# Altium PCB e-VEREST.PcbDoc (part 3 of 3)
Units mm, origin at the board's own origin, x right, y up, seen from the top; angles counter-clockwise.
Board outline 40 x 16 mm, 6 copper layers (Top Layer, InLayer1 (GND), InLayer2 (Signal), InLayer3 (PWR), InLayer4 (GND), Bottom Layer), stack 1.567 mm thick; 132 components, 181 nets, 912 pads, 411 vias.
Unrouted connection lines stored in the file: 2.
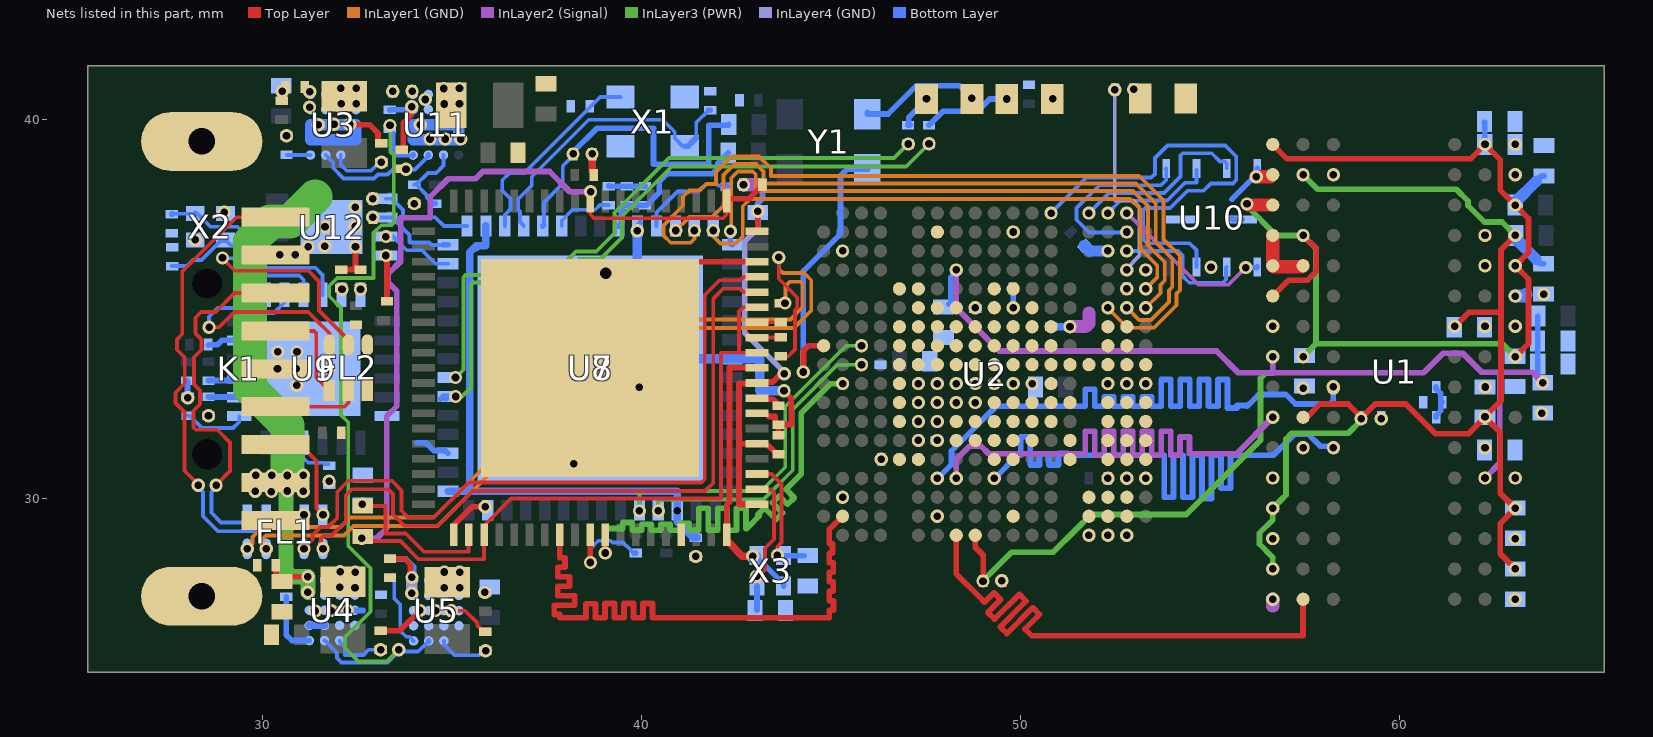
[diagram p7: the nets of this part, all layers, seen from the top]

## Via types
v1: diameter 0.35/0.2/0.2/0.2/0.2/0.35 (per signal layer), hole 0.2, Top Layer to Bottom Layer, tented both sides, 112 vias
v2: diameter 0.35/0.2/0.35/0.2/0.2/0.2 (per signal layer), hole 0.2, Top Layer to Bottom Layer, tented both sides, 80 vias
v3: diameter 0.35/0.2/0.35/0.35/0.2/0.35 (per signal layer), hole 0.2, Top Layer to Bottom Layer, tented both sides, 53 vias
v4: diameter 0.35/0.2/0.2/0.35/0.2/0.35 (per signal layer), hole 0.2, Top Layer to Bottom Layer, tented both sides, 41 vias
v5: diameter 0.35/0.2/0.2/0.35/0.2/0.2 (per signal layer), hole 0.2, Top Layer to Bottom Layer, tented both sides, 37 vias
v6: diameter 0.35/0.2/0.35/0.2/0.2/0.35 (per signal layer), hole 0.2, Top Layer to Bottom Layer, tented both sides, 20 vias
v7: diameter 0.35/0.2/0.35/0.35/0.2/0.2 (per signal layer), hole 0.2, Top Layer to Bottom Layer, tented both sides, 13 vias
v8: diameter 0.35/0.2/0.2/0.2/0.2/0.2 (per signal layer), hole 0.2, Top Layer to Bottom Layer, tented both sides, 7 vias
v9: diameter 0.2/0.2/0.2/0.35/0.2/0.35 (per signal layer), hole 0.2, Top Layer to Bottom Layer, tented both sides, 7 vias
v10: diameter 0.35/0.35/0.2/0.2/0.2/0.2 (per signal layer), hole 0.2, Top Layer to Bottom Layer, tented both sides, 6 vias
v11: diameter 0.35/0.2/0.2/0.2/0.35/0.35 (per signal layer), hole 0.2, Top Layer to Bottom Layer, tented both sides, 5 vias
v12: diameter 0.2/0.2/0.2/0.35/0.2/0.2 (per signal layer), hole 0.2, Top Layer to Bottom Layer, tented both sides, 5 vias
v13: diameter 0.35/0.2/0.2/0.2/0.35/0.2 (per signal layer), hole 0.2, Top Layer to Bottom Layer, tented both sides, 4 vias
v14: diameter 0.2/0.2/0.35/0.2/0.2/0.35 (per signal layer), hole 0.2, Top Layer to Bottom Layer, tented both sides, 3 vias
v15: diameter 0.35/0.2/0.35/0.2/0.35/0.35 (per signal layer), hole 0.2, Top Layer to Bottom Layer, tented both sides, 3 vias
v16: diameter 0.35/0.35/0.2/0.2/0.2/0.35 (per signal layer), hole 0.2, Top Layer to Bottom Layer, tented both sides, 3 vias
v17: diameter 0.2/0.35/0.2/0.2/0.2/0.2 (per signal layer), hole 0.2, Top Layer to Bottom Layer, tented both sides, 3 vias
v18: diameter 0.5/0.2/0.3/0.5/0.2/0.5 (per signal layer), hole 0.3, Top Layer to Bottom Layer, tented both sides, 3 vias
v19: diameter 0.45/0.45/0.3/0.45/0.45/0.45 (per signal layer), hole 0.3, Top Layer to Bottom Layer, tented both sides, 1 vias
v20: diameter 0.35/0.35/0.2/0.2/0.35/0.2 (per signal layer), hole 0.2, Top Layer to Bottom Layer, tented both sides, 1 vias
v21: diameter 0.35/0.2/0.35/0.2/0.35/0.2 (per signal layer), hole 0.2, Top Layer to Bottom Layer, tented both sides, 1 vias
v22: diameter 0.2/0.35/0.2/0.2/0.2/0.35 (per signal layer), hole 0.2, Top Layer to Bottom Layer, tented both sides, 1 vias
v23: diameter 0.2/0.2/0.2/0.2/0.2/0.2 (per signal layer), hole 0.2, Top Layer to Bottom Layer, tented both sides, 1 vias
v24: diameter 0.2/0.2/0.35/0.2/0.35/0.2 (per signal layer), hole 0.2, Top Layer to Bottom Layer, tented both sides, 1 vias

## Nets (pads, with @x,y where several pads share a name; then routed paths per layer and width w, separated by ;. In a path a pad name is that pad's centre, name@x,y a point inside that pad or via, vN(x,y) a via of type N, cw(c..) or ccw(c..) an arc to the next point about the centre after c; other vN are vias at no path point) (continued)
FT_TXE: U2.B2 U7.8 | length 18
  Top Layer w0.15: U7.8@37.85,29.035 37.85,28.843 37.85,28.426 37.987,28.426 37.987,28.176 37.794,28.176 37.794,27.926 38.105,27.926 38.105,27.676 37.795,27.676 37.795,27.426 38.242,27.426 38.242,27.176 37.7,27.176 37.7,26.926 37.85,26.926 37.85,26.851 37.85,26.84 38.2,26.84 38.542,26.84 38.542,27.209 38.792,27.209 38.792,26.84 39.042,26.84 39.042,27.219 39.292,27.219 39.292,26.84 39.542,26.84 39.542,27.219 39.792,27.219 39.792,26.84 40.042,26.84 40.042,27.219 40.292,27.219 40.292,26.84 40.617,26.84 44.96,26.84 44.96,26.847 44.96,27.041 45.068,27.041 45.068,27.291 44.96,27.291 44.96,27.541 45.065,27.541 45.065,27.791 44.96,27.791 44.96,28.041 45.065,28.041 45.065,28.291 44.96,28.291 44.96,28.541 45.044,28.541 45.044,28.791 44.96,28.791 44.96,28.826 44.96,28.866 44.96,29.17 U2.B2@45.31,29.52
FT_WK: U7.16 | length 0
  Top Layer w0.15: U7.16@41.05,29.035 U7.16@41.05,29.035
FT_WR: U2.B9 U7.11 | length 16.2
  Top Layer w0.15: v5(39.044,28.55) 39.047,28.553 39.047,29.032 U7.11@39.05,29.035
  InLayer3 (PWR) w0.15: v5(39.044,28.55) 39.044,29.198 39.437,29.198 39.512,29.198 39.512,29.353 39.762,29.353 39.762,29.15 40.012,29.15 40.012,29.31 40.262,29.31 40.262,29.15 40.512,29.15 40.512,29.31 40.762,29.31 40.762,29.15 41.012,29.15 41.012,29.335 41.262,29.335 41.262,29.15 41.512,29.15 41.512,29.735 41.762,29.735 41.762,29.15 42.012,29.15 42.012,29.735 42.262,29.735 42.262,29.15 42.512,29.15 42.512,29.735 42.762,29.735 42.762,29.198 42.78,29.198 42.926,29.344 43.054,29.472 43.107,29.525 43.072,29.56 43.249,29.736 43.55,29.435 43.727,29.612 43.46,29.878 43.637,30.055 43.859,29.833 44.035,30.01 43.814,30.232 44.22,30.638 44.22,32.243 44.997,33.02 v5(45.31,33.02)
GND: C1.1 C2.1 C3.1 C6.1 C7.1 C8.1 C9.1 C10.1 C11.2 C12.2 C13.2 C14.2 C15.1 C16.1 C17.2 C18.1 C19.1 C20.2 C21.1 C22.1 C23.2 C24.1 C25.1 C26.1 C27.1 C28.1 C29.1 C30.2 C31.2 C32.2 C33.1 C34.2 C35.2 C36.1 C37.2 C38.2 C39.1 C40.2 C48.2 C49.2 C50.2 C51.2 C52.2 C53.2 C54.2 C55.2 C56.2 C57.2 C58.2 C59.2 C60.2 C61.2 C63.2 C64.2 C65.2 C66.2 C67.2 C68.1 C69.1 C70.2 C71.2 C72.1 C73.2 C74.1 DS1.2 DS2.2 DS3.2 FL1.3 FL1.8 FL2.3 FL2.4 K1.5 K1.8 K1.10 R2.1 R34.1 R38.1 R42.1 R46.1 R48.2 R50.2 R52.1 R55.2 R57.1 R58.2 U1.A9 U1.B1 U1.B3 U1.B9 U1.D1 U1.D8 U1.E1 U1.E2 U1.E8 U1.F9 U1.G1 U1.G8 U1.G9 U1.J2 U1.J8 U1.L2 U1.M1 U1.M9 U1.P1 U1.P9 U1.T1 U1.T9 U2.B3 U2.B16 U2.E5 U2.E7 U2.E8 U2.E9 U2.E10 U2.E11 U2.E12 U2.E14 U2.F5 U2.F6 U2.F7 U2.F8 U2.F9 U2.F10 U2.F11 U2.F12 U2.F13 U2.F14 U2.G2 U2.G6 U2.G7 U2.G8 U2.G9 U2.G10 U2.G11 U2.G12 U2.G13 U2.G17 U2.H6 U2.H7 U2.H8 U2.H9 U2.H10 U2.H11 U2.H12 U2.H13 U2.J6 U2.J7 U2.J8 U2.J9 U2.J10 U2.J11 U2.J12 U2.J13 U2.K5 U2.K6 U2.K7 U2.K8 U2.K9 U2.K10 U2.K11 U2.K12 U2.K13 U2.K14 U2.L2 U2.L5 U2.L6 U2.L7 U2.L8 U2.L9 U2.L10 U2.L11 U2.L12 U2.L13 U2.L14 U2.L17 U2.M6 U2.M7 U2.M8 U2.M9 U2.M10 U2.M11 U2.M12 U2.M13 U2.N7 U2.N8 U2.N9 U2.N10 U2.N11 U2.N12 U2.P5 U2.P6 U2.P8 U2.P10 U2.P12 U2.R1 U2.R2 U2.R3 U2.R10 U2.T1 U2.T2 U2.T3 U2.T4 U2.T5 U2.T6 U2.T7 U2.T8 U2.T9 U2.T10 U2.T11 U2.T12 U2.T16 U2.U1 U2.U2 U2.U3 U2.U4 U2.U5 U2.U6 U2.U7 U2.U8 U2.U9 U2.U10 U2.U11 U2.U12 U2.U14 U2.V4 U2.V5 U2.V6 U2.V7 U2.V8 U2.V9 U2.V10 U2.V15 U3.B1 U3.B2 U3.B3 U3.B4 U3.C1 U3.C2 U3.C3 U3.C4 U4.B1 U4.B2 U4.B3 U4.B4 U4.C1 U4.C2 U4.C3 U4.C4 U5.B1 U5.B2 U5.B3 U5.B4 U5.C1 U5.C2 U5.C3 U5.C4 U7.1 U7.19 U7.26 U7.29 U7.36 U7.77 U8.10 U8.21 U8.41 U8.45 U8.57 U9.6 U9.25 U10.4 U10.9 U11.B1 U11.B2 U11.B3 U11.B4 U11.C1 U11.C2 U11.C3 U11.C4 U12.5 U12.9 X1.2 X1.4 X2.2 X2.4 X3.2 X3.4 Y1.2 | length 52.2
  Top Layer w0.1: v3(34.981,27.027) 35.349,27.027 35.675,26.701 35.675,26.635 R46.1@35.835,26.475
  Top Layer w0.15: v6(32.304,39.857) 32.308,39.852 32.828,39.852 33.054,39.626 33.054,39.398 33.092,39.361 R38.1@33.142,39.361 ; v3(32.459,36.631) R57.1@32.459,36.03 ; R57.1@32.59,36.03 R57.1@32.459,36.03 ; R42.1@33.127,26.498 33.619,26.498 v3(34.156,27.035) ; U7.1@35.05,29.035 35.05,29.286 35.534,29.77 v4(35.88,29.77) ; R46.1@35.835,26.475 R46.1@35.885,26.475 ; U7.77@38.65,33.435 41.45,36.235 U7.36@43.05,36.235 ; C2.1@38.7,38.623 38.748,38.575 C2.1@38.748,38.525 ; U7.19@42.275,28.86 42.25,28.885 U7.19@42.25,29.035 42.25,29.817 42.325,29.892 42.325,33.443 43.042,33.443 U7.29@43.05,33.435 ; U7.26@43.05,32.235 43.075,32.21 43.303,32.21 43.361,32.152 43.532,32.152 43.532,31.977 43.57,31.94 R55.2@43.62,31.94 C74.1@43.62,31.66 ; R55.2@43.64,31.94 43.958,31.94 43.958,32.616 43.964,32.623 43.764,32.823 v1(43.764,32.828) v1@43.764,32.831 ; U1.B1@56.655,38.535 U1.B1@56.66,38.53 ; R57.1@32.459,36.03 C13.2@32.085,36.03 R57.1@32.459,36.03
  Top Layer w0.2: C2.1@38.7,38.623 C7.1@38.7,39.07 ; U7.19@42.275,28.86 42.665,28.47 v1(42.94,28.47)
  Top Layer w0.35: v3(56.223,38.48) 56.6,38.48 U1.B1@56.655,38.535 ; U1.D1@56.66,36.93 56.658,36.928 56.658,36.122 U1.E1@56.68,36.1 ; U1.E1@56.68,36.098 U1.E1@56.68,36.1 ; U1.E2@57.46,36.13 57.43,36.1 U1.E1@56.68,36.1
  InLayer2 (Signal) w0.15: 43.088,38.268 43.1,38.28
  InLayer2 (Signal) w0.35: v6(42.695,38.268) 43.088,38.268 ; v1(51.31,34.525) 51.722,34.525 51.81,34.613 51.81,34.88 ; 56.66,27.154 v7(56.66,27.33)
  Bottom Layer w0.15: C11.2@28.02,33.09 28.025,33.085 28.025,32.675 R50.2@28.03,32.67 ; U4.C4@32.44,27.04 32.44,27.032 32.662,27.032 ; 34.08,31.46 34.315,31.46 34.52,31.255 34.825,31.255 U8.45@34.9,31.18 ; U8.57@38.65,33.43 U8.57@38.8,33.58 ; C6.1@38.7,39.03 38.7,39.043 C6.1@38.737,39.08 ; R52.1@39.14,38.231 C9.1@39.615,38.231 ; C9.1@39.615,38.231 C10.1@40.095,38.23 ; v4(39.893,37.054) 39.893,37.173 U8.10@39.9,37.18 U8.10@39.975,37.255 ; U8.57@39.9,34.68 U8.57@38.8,33.58 ; U8.57@40.68,33.58 U8.57@38.8,33.58 ; X3.2@43.055,28.481 43.054,28.432 43.755,27.731 X3.4@43.755,27.681 ; Y1.2@45.966,40.124 45.966,40.174 46.005,40.135 46.512,40.135 47.258,40.881 48.396,40.881 v6(48.723,40.554) ; C55.2@48.78,34.99 v6(48.81,35.02) ; C55.2@48.804,34.991 C55.2@48.854,34.991 ; v1(49.81,35.02) C52.2@49.81,35.52 ; C49.2@51.305,34.52 v1(51.31,34.525) ; C31.2@51.692,36.669 C31.2@51.745,36.669 ; U10.9@55.585,37.375 55.61,37.35 U10.9@55.848,37.35 ; 55.585,37.887 56.248,38.55 U10.4@56.248,38.7 ; 63.338,35.368 63.36,35.39
  Bottom Layer w0.2: U4.B1@31.24,26.64 U4.B2@31.64,26.64 ; v1(42.94,28.47) X3.2@43.03,28.47 ; X3.2@43.04,28.48 X3.2@43.03,28.47 ; X3.2@43.055,28.481 43.051,28.476 43.047,28.48 43.037,28.47 X3.2@43.03,28.47 ; C30.2@50.808,34.519 C49.2@51.305,34.52
  Bottom Layer w0.25: v4(39.893,37.054) 39.893,34.687 U8.57@39.9,34.68 ; U8.57@40.68,33.58 40.78,33.68 U8.21@42.4,33.68 43.126,33.68 43.126,32.831 v1@43.764,32.831
  Bottom Layer w0.3: C31.2@51.687,36.663 51.83,36.52 v6(52.31,36.52) ; U3.B1@31.272,39.451 U3.C1@31.272,39.851 U3.C2@31.672,39.851 U3.C3@32.072,39.851 U3.C4@32.472,39.851 U3.B4@32.472,39.451 U3.B3@32.072,39.451 U3.B2@31.672,39.451 U3.B1@31.272,39.451 ; U11.B1@33.98,39.45 U11.C1@33.98,39.85 U11.C2@34.38,39.85 U11.C3@34.78,39.85 U11.C4@35.18,39.85 U11.B4@35.18,39.45 U11.B3@34.78,39.45 U11.B2@34.38,39.45 U11.B1@33.98,39.45
  Bottom Layer w0.35: v3(63.06,35.33) 63.061,35.331 63.064,35.328 63.298,35.328 63.338,35.368
  other v1: 41.437,28.46 45.31,30.02 45.31,36.52
  other v2: 52.31,33.02 52.81,33.02 53.31,33.02
  other v3: 34.569,27.031 63.06,27.33 63.06,28.93 31.761,30.44 63.06,30.53 47.31,31.52 47.31,32.02 47.81,32.02 28.58,32.17 63.76,32.242 47.31,32.52 47.81,32.52 48.31,32.52 48.81,32.52 28.031,32.646 30.905,32.972 47.31,33.02 47.81,33.02 48.31,33.02 48.81,33.02 49.31,33.02 50.31,33.02 30.4,33.41 30.9,33.41 31.75,33.414 30.914,33.855 62.26,34.53 63.06,34.53 63.806,35.38 30.457,36.422 30.865,36.422 31.206,36.631 31.649,36.644 28.23,36.81 31.653,37.159 32.454,37.17 28.995,37.545 32.454,37.678 34.01,37.77 63.06,38.53 38.7,39.08 63.06,39.33 34.423,39.475 34.826,39.475 35.238,39.474 34.164,39.848 30.522,40.728
  other v4: 31.397,27.02 31.819,27.031 32.239,27.032 52.31,30.52 38.213,30.91 46.327,31.021 47.81,31.52 59.52,32.092 57.46,32.9 39.94,32.925 62.264,32.93 30.404,33.855
  other v5: 49.51,27.82 56.66,28.93 51.81,29.02 52.31,29.02 52.81,29.02 47.81,29.52 52.81,30.52 53.31,30.52 56.66,30.53 57.46,31.33 58.26,38.53
  other v6: 35.869,27.511 52.81,35.52 53.31,36.02 31.474,39.848 31.89,39.86 50.853,40.531 33.441,40.73
  other v7: 49.81,33.02 62.26,36.13 62.26,36.93
  other v8: 56.66,34.53 55.03,36.09 49.81,37.02
  other v19: 39.06,35.93
JTAG_TCK: U2.U13 U8.12 | length 18.7
  InLayer1 (GND) w0.1: v17(40.91,37.06) 41.267,37.417 41.867,37.417 42.172,37.722 42.172,38.1 42.17,38.102 42.17,38.522 42.462,38.815 43.023,38.815 43.22,38.619 43.22,38.3 53.055,38.3 53.57,37.785 53.57,36.75 54.01,36.31 54.01,35.567 53.92,35.477 53.92,35.17 53.445,34.695 53.135,34.695 v10(52.81,35.02)
JTAG_TDI: U2.T13 U8.13 | length 21.6
  InLayer1 (GND) w0.1: v17(41.4,37.06) 41.4,36.841 41.294,36.735 40.775,36.735 40.585,36.925 40.585,37.195 41.103,37.713 41.103,37.949 41.266,38.112 41.535,38.112 41.713,38.29 41.97,38.29 41.97,38.605 42.38,39.015 43.106,39.015 43.42,38.702 43.42,38.5 53.138,38.5 53.779,37.859 53.779,36.824 54.21,36.393 54.21,35.484 54.12,35.394 54.12,35.088 53.527,34.495 52.825,34.495 52.31,35.01 v10(52.31,35.02)
JTAG_TDO: U2.V14 U8.14 | length 15
  InLayer1 (GND) w0.1: v17(41.9,37.06) 41.9,36.9 42.085,36.715 42.485,36.715 42.675,36.905 42.675,37.698 42.87,37.892 52.897,37.892 53.169,37.621 53.169,36.585 53.61,36.144 53.61,35.82 v10(53.31,35.52)
JTAG_TMS: U2.V13 U8.15 | length 16.6
  InLayer1 (GND) w0.1: v22(42.35,37.04) 42.372,37.063 42.372,38.182 42.37,38.185 42.37,38.44 42.545,38.615 42.94,38.615 43.02,38.536 43.02,38.1 52.972,38.1 53.37,37.702 53.37,36.667 53.81,36.227 53.81,35.737 53.695,35.622 53.695,35.405 v10(53.31,35.02)
  Bottom Layer w0.15: v22(42.35,37.04) 42.35,36.73 U8.15@42.4,36.68
NetC1_2: C1.2 FB4.1 U7.3 U7.30 U7.33 U7.39 U7.48 | length 38.2
  Top Layer w0.1: FB4.1@32.65,28.99 32.775,28.865 33.643,28.865 34.123,28.385 35.85,28.385 U7.3@35.85,29.035 ; U7.3@35.875,29.06 35.875,29.295 36.565,29.985 42.1,29.985 42.1,33.835 42.575,33.835 ; U7.48@38.65,37.835 38.65,37.49 38.755,37.385 42.162,37.385 42.25,37.473 U7.39@42.25,37.835 ; U7.30@43.05,33.835 42.575,33.835 ; U7.33@43.05,35.035 42.69,35.035 42.575,34.92 42.575,33.835
  Top Layer w0.15: U7.3@35.85,29.035 U7.3@35.875,29.06 ; U7.39@42.25,37.835 42.315,37.9 42.849,37.9 43.195,38.245 C1.2@43.195,38.268 ; U7.33@43.05,35.035 U7.33@43.054,35.031
  InLayer2 (Signal) w0.15: v2(32.62,28.94) 33.02,28.94 33.28,29.2 33.28,32.16 33.55,32.43 33.55,35.457 33.325,35.682 33.325,35.922 33.65,36.247 33.65,37.395 34.428,37.395 34.428,37.948 34.905,38.425 35.625,38.425 35.814,38.614 37.58,38.614 38.113,38.081 v2(38.661,38.081)
NetC3_2: C3.2 C74.2 FB3.2 U7.20 U7.24 U7.28 U7.38 | length 12.5
  Top Layer w0.15: U7.20@43.05,29.835 43.043,29.828 42.575,29.828 42.575,31.435 ; U7.38@43.05,37.035 43.074,37.059 43.071,37.062 v11@43.071,37.538 ; C74.2@43.62,31.16 43.57,31.16 43.525,31.205 43.525,31.207 43.322,31.41 43.075,31.41 U7.24@43.05,31.435 42.575,31.435 ; v13@43.774,33.315 43.72,33.315 43.465,33.06 43.075,33.06 U7.28@43.05,33.035 43.04,33.025 42.575,33.025 42.575,31.435
  InLayer4 (GND) w0.15: v11@43.071,37.538 43.071,37.116 42.725,36.77 42.725,34.364 v13@43.774,33.315
  Bottom Layer w0.15: FB3.2@43.071,37.538 43.071,37.447 43.074,37.444 43.06,37.43 43.06,37.76 43.198,37.898 C3.2@43.198,38.271
  other v11: 43.071,37.565
  other v13: 43.77,33.278
NetC6_2: C6.2 C7.2 FB2.1 U8.5 | length 8.6
  Bottom Layer w0.1: U8.5@37.42,37.2 37.428,37.208 37.428,37.798 37.924,38.293 37.924,38.754 C6.2@38.2,39.03
  Bottom Layer w0.15: U8.5@37.4,37.18 U8.5@37.42,37.2 ; C6.2@38.2,39.03 v1(38.2,39.08) 38.2,39.13 38.825,39.755 40.322,39.755 40.322,38.805 41.597,38.805 41.6,38.808 41.775,38.808 41.775,39.84 42.29,39.84 FB2.1@42.308,39.858
NetC8_2: C8.2 U8.2 U8.31 U8.43 | length 14.9
  Bottom Layer w0.2: U8.43@34.9,30.18 40.95,30.18 U8.31@40.95,29.68 v23(40.95,29.66) 40.95,29.38 41.375,28.955 C8.2@41.473,28.955 ; 35.475,30.19 35.475,36.488 35.592,36.605 35.647,36.605 35.647,36.66 35.9,36.66 U8.2@35.9,37.18
NetC9_2: C9.2 C10.2 FB1.1 U8.9 | length 4.2
  Bottom Layer w0.15: U8.9@39.4,37.18 39.477,37.257 39.477,37.643 39.565,37.731 C9.2@39.615,37.731 ; C9.2@39.616,37.73 C10.2@40.095,37.73 ; C10.2@40.095,37.729 40.145,37.729 40.47,38.054 40.47,38.345 40.68,38.555 41.743,38.555 41.745,38.558 41.879,38.558 42.025,38.704 42.025,38.837 FB1.1@42.294,39.106
NetC12_1: C12.1 U9.10 | length 1.1
  Bottom Layer w0.1: U9.10@31.08,31.45 31.08,31.06 31.21,30.93 31.603,30.93 31.642,30.891 C12.1@31.753,30.891
  Bottom Layer w0.15: U9.10@31.08,31.45 U9.10@31.09,31.46
NetC13_1: C13.1 U9.23
  other v1: 32.102,35.508
NetC33_2: C33.2 R3.2 R4.1 | length 0.9
  Bottom Layer w0.15: R4.1@60.968,32.13 60.968,32.18 61.09,32.301 61.09,32.495 C33.2@61.127,32.532 61.09,32.57 61.09,32.758 60.969,32.879 R3.2@60.969,32.929
NetC40_1: C40.1 FB4.2 U7.2 | length 4.2
  Top Layer w0.1: FB4.2@32.65,29.79 33.25,29.79 33.25,29.065 33.785,29.065 34.265,28.585 35.44,28.585 U7.2@35.44,29.025
  Top Layer w0.15: U7.2@35.44,29.025 U7.2@35.45,29.035
  other v1: 32.641,29.837
NetC54_1: C54.1 U8.3 X1.1 | length 5.4
  Bottom Layer w0.1: U8.3@36.4,37.18 36.4,37.475 36.55,37.625 36.55,37.895 36.52,37.924 36.33,38.115 36.33,38.384 36.52,38.574 36.911,38.574 38.917,40.58 X1.1@39.45,40.58
NetC68_2: C68.2 U8.4 X1.3 | length 7.8
  Bottom Layer w0.1: U8.4@36.9,37.18 36.8,37.28 36.8,37.565 36.75,37.615 36.75,37.885 37.11,38.244 37.11,38.477 38.613,39.98 40.554,39.98 40.88,39.655 40.88,39.5 X1.3@41.1,39.28 ; X1.3@41.45,39.505 41.45,39.91 C68.2@41.77,40.23
  Bottom Layer w0.15: X1.3@41.15,39.28 41.225,39.28 X1.3@41.45,39.505 ; C68.2@41.77,40.23 C68.2@41.82,40.23
NetC69_2: C69.2 U9.22 X2.3 | length 5.4
  Bottom Layer w0.1: C69.2@27.62,37.5 X2.3@28.22,37.5 ; X2.3@28.23,37.51 28.28,37.51 28.41,37.38 28.63,37.16 29.342,37.16 29.43,37.072 29.43,36.92 29.94,36.41 29.94,36.203 30.068,36.075 31.403,36.075 31.59,35.888 U9.22@31.59,35.36
  Bottom Layer w0.15: C69.2@27.61,37.49 C69.2@27.62,37.5 ; X2.3@28.22,37.5 X2.3@28.23,37.51
NetC70_1: C70.1 U7.21 X3.1 | length 3.5
  Top Layer w0.1: U7.21@43.05,30.235 43.412,30.235 43.5,30.147 43.5,28.913 43.265,28.678 43.265,28.355 43.265,28.115 v1@43.09,27.94
  Bottom Layer w0.15: C70.1@43.05,27.04 43.053,27.043 43.053,27.678 X3.1@43.055,27.681
  other v1: 43.047,27.94
NetC71_1: C71.1 U7.22 X3.3 | length 3.2
  Top Layer w0.1: U7.22@43.05,30.635 43.435,30.635 43.7,30.37 43.7,28.83 43.587,28.717 v1@43.587,28.49
  Bottom Layer w0.15: X3.3@43.755,28.479 C71.1@44.294,28.479
  other v1: 43.59,28.49
NetC72_2: C72.2 U9.21 X2.1 | length 4.7
  Bottom Layer w0.1: C72.2@27.62,36.12 28.008,36.12 28.172,36.284 28.398,36.284 X2.1@28.924,36.81 ; X2.1@29.03,36.81 29.18,36.66 29.404,36.66 29.71,36.354 29.71,36.15 29.985,35.875 30.975,35.875 31.09,35.76 U9.21@31.09,35.36
  Bottom Layer w0.15: X2.1@28.924,36.81 X2.1@29.03,36.81
NetDS1_1: DS1.1 R36.1
  other v1: 52.993,40.781
NetDS2_1: DS2.1 R44.1 | length 1
  Bottom Layer w0.15: R44.1@47.037,39.842 47.087,39.842 47.052,39.878 47.052,40.033 47.525,40.506 v1(47.525,40.531)
NetDS3_1: DS3.1 R40.1 | length 2.3
  Bottom Layer w0.15: R40.1@47.591,39.838 47.957,40.204 48.868,40.204 49.193,40.53 v1(49.64,40.53)
NetL1_1: L1.1 U11.D3 U11.D4 U11.E3 U11.E4
  other v1: 34.797,40.396 35.203,40.399 34.79,40.806 35.201,40.808
NetL2_1: L2.1 U3.D3 U3.D4 U3.E3 U3.E4
  other v1: 32.077,40.406 32.483,40.409 32.07,40.816 32.481,40.818
NetL3_1: L3.1 U4.D3 U4.D4 U4.E3 U4.E4
  other v1: 32.445,27.636 32.04,27.651 32.453,28.043 32.051,28.055
NetL4_1: L4.1 U5.D3 U5.D4 U5.E3 U5.E4
  other v1: 34.801,27.637 35.205,27.638
  other v8: 34.801,28.05 35.211,28.043
NetR5_1: R5.1 U8.1 U12.1 | length 2.5
  Bottom Layer w0.1: U12.1@33.26,37.9 33.407,37.9 33.71,37.597 33.71,37.41 34.56,37.41 34.79,37.18 U8.1@35.4,37.18
  other v1: 32.915,37.9
NetR6_1: R6.1 U8.56 U12.2 | length 2.4
  Bottom Layer w0.1: v1@32.912,37.401 32.914,37.4 33.425,37.4 33.88,36.945 33.88,36.753 33.888,36.745 34.405,36.745 34.47,36.68 U8.56@34.775,36.68
  Bottom Layer w0.15: U8.56@34.775,36.68 U8.56@34.9,36.68
  other v1: 32.915,37.41
NetR29_1: R29.1 U8.55 U12.3 | length 1.9
  Bottom Layer w0.1: v1(33.26,36.9) 33.45,36.9 33.81,36.54 34.214,36.54 34.574,36.18 U8.55@34.9,36.18
NetR29_2: R29.2 R30.1 U12.4 | length 1.2
  Top Layer w0.15: R30.1@33.29,35.19 R29.2@33.29,36.4
  other v1: 33.26,36.4
NetR32_1: R32.1 U11.A2 | length 0.8
  Bottom Layer w0.1: v1(33.792,38.673) 34.027,38.673 U11.A2@34.38,39.026
  Bottom Layer w0.15: U11.A2@34.38,39.026 U11.A2@34.38,39.05
NetR33_1: R33.1 R34.2 U11.A3 | length 2
  Bottom Layer w0.1: R34.2@34.01,38.27 R34.2@34.06,38.27 ; R33.1@34.51,37.77 34.348,37.932 34.348,37.982 R34.2@34.06,38.27 ; U11.A3@34.78,39.05 34.78,38.773 34.587,38.58 34.37,38.58 R34.2@34.06,38.27
  Bottom Layer w0.15: R33.1@34.51,37.77 R33.1@34.56,37.77
NetR35_2: R35.2 U3.A1 | length 0.6
  Bottom Layer w0.1: R35.2@30.642,39.051 U3.A1@31.272,39.051
NetR36_2: R36.2 U2.U15 | length 5.4
  InLayer4 (GND) w0.1: v11(52.493,40.771) 52.493,37.847 52.973,37.847 53.135,37.685 53.135,36.385 52.81,36.06 v13(52.81,36.02)
NetR37_1: R37.1 R38.2 U3.A3 | length 1.5
  Bottom Layer w0.1: U3.A3@32.072,39.051 32.072,38.791 32.228,38.635 32.866,38.635 33.092,38.861 v1(33.142,38.861)
NetR39_2: R39.2 U4.A1 | length 1.7
  Bottom Layer w0.15: R39.2@30.627,27.394 30.627,26.393 30.78,26.24 31.213,26.24 U4.A1@31.24,26.24
NetR41_1: R41.1 R42.2 U4.A3 | length 1.4
  Bottom Layer w0.1: U4.A3@32.04,26.24 32.04,26.199 32.173,26.066 32.173,25.86 32.668,25.86 32.808,26 v1(33.12,26)
NetR43_2: R43.2 U5.A1 | length 2
  Bottom Layer w0.1: R43.2@33.366,27.894 33.416,27.894 33.479,27.832 33.479,27.351 33.64,27.19 33.64,26.495 33.796,26.339 33.881,26.339 U5.A1@33.99,26.23
NetR45_1: R45.1 R46.2 U5.A3 | length 1.4
  Bottom Layer w0.1: U5.A3@34.79,26.23 34.79,26.135 35.075,25.85 35.72,25.85 R45.1@35.84,25.97
  Bottom Layer w0.15: R45.1@35.84,25.97 v1(35.89,25.97)
NetR47_2: R47.2 U9.15 | length 0.8
  Bottom Layer w0.15: R47.2@28.58,33.1 28.582,33.102 29.332,33.102 U9.15@29.39,33.16
NetR48_1: R48.1 U9.14 | length 0.8
  Bottom Layer w0.15: R48.1@28.58,32.67 28.585,32.665 29.385,32.665 U9.14@29.39,32.66
NetR49_2: R49.2 U9.17 | length 0.9
  Bottom Layer w0.15: R49.2@28.58,34.03 28.593,34.043 28.813,34.043 28.93,34.16 U9.17@29.39,34.16
NetR50_1: R50.1 U9.13 | length 1.7
  Bottom Layer w0.1: R50.1@28.03,32.17 28.08,32.17 28.405,31.845 29.225,31.845 29.39,32.01 U9.13@29.39,32.16
NetR52_2: R52.2 U8.6 | length 1.5
  Bottom Layer w0.1: U8.6@37.9,37.18 37.9,37.317 38.188,37.605 38.785,37.605 38.911,37.731 R52.2@39.14,37.731
NetR53_2: R53.2 U7.10 | length 2.5
  Top Layer w0.15: U7.10@38.65,29.035 38.653,29.032 38.653,28.303 v1(38.656,28.3)
  Bottom Layer w0.1: v1(38.656,28.3) 38.656,28.666 38.865,28.875 39.186,28.875 39.236,28.825 39.513,28.825 39.598,28.74 39.61,28.74 R53.2@39.8,28.55
  Bottom Layer w0.15: v1(38.656,28.3) v1@38.66,28.304 ; R53.2@39.8,28.55 R53.2@39.85,28.55
NetR55_1: R55.1 U7.27 | length 0.7
  Top Layer w0.15: U7.27@43.05,32.635 43.075,32.61 43.47,32.61 43.64,32.44 R55.1@43.69,32.44
NetR56_2: R56.2 U8.11 | length 2.6
  Bottom Layer w0.1: U8.11@40.4,37.18 40.4,37.536 40.95,38.086 41.498,38.086 41.702,38.29 41.982,38.29 42.033,38.239 R56.2@42.217,38.239
  Bottom Layer w0.15: R56.2@42.217,38.239 R56.2@42.267,38.239
NetR57_2: R57.2 U9.24
  other v1: 32.59,35.508
NetR58_1: R58.1 U1.L8
  other v1: 62.26,31.33
NetU2_A11: U2.A11 Y1.3 | length 7.5
  Top Layer w0.15: v1@44.29,33.33 44.278,33.342 44.278,33.885 44.413,34.02 U2.A11@44.81,34.02
  Bottom Layer w0.15: v1(44.275,33.326) 44.275,35.991 45.255,36.971 45.255,38.505 45.424,38.674 Y1.3@45.966,38.674
ODT: U1.K1 U2.H4 | length 16.7
  InLayer2 (Signal) w0.15: v2(48.31,30.52) 48.31,31.015 48.665,31.37 48.965,31.37 49.165,31.17 51.64,31.17 51.715,31.17 51.715,31.762 51.965,31.762 51.965,31.13 52.215,31.13 52.215,31.762 52.465,31.762 52.465,31.13 52.715,31.13 52.715,31.762 52.965,31.762 52.965,31.13 53.215,31.13 53.215,31.762 53.465,31.762 53.465,31.13 53.715,31.13 53.715,31.762 53.965,31.762 53.965,31.13 54.215,31.13 54.215,31.612 54.465,31.612 54.465,31.17 54.89,31.17 55.7,31.17 v2(56.66,32.13)
POK_1.1V: R31.2 U3.A2 U4.A2 U5.A2 U11.A1 | length 24.9
  InLayer3 (PWR) w0.1: v4@33.373,39.828 33.373,39.144 33.467,39.05 33.467,38.726 33.467,37.259 33.408,37.2 33.136,37.2 32.935,36.999 32.935,35.808 31.978,35.808 31.766,35.597 31.766,35.323 32.075,35.014 32.075,32.194 32.268,32.001 32.268,28.732 32.854,28.146 32.854,27 32.173,26.319 32.173,26.05 32.536,25.687 33.287,25.687 v4(33.6,26)
  InLayer3 (PWR) w0.15: v4(33.369,39.832) v4@33.373,39.828
  Bottom Layer w0.1: U4.A2@31.64,26.24 31.653,26.24 31.765,26.128 31.765,26.126 31.973,25.918 31.973,25.777 32.09,25.66 33.305,25.66 33.458,25.812 33.623,25.977 v4(33.6,26) ; U3.A2@31.672,39.051 31.872,38.851 31.872,38.709 32.145,38.435 32.949,38.435 33.049,38.536 33.304,38.536 33.467,38.699 33.467,39.04 ; R31.2@33.36,39.74 33.467,39.633 33.467,39.04 ; v4@33.645,25.955 34.115,25.955 34.366,26.206 U5.A2@34.39,26.206 ; U11.A1@33.97,39.04 33.467,39.04
  Bottom Layer w0.15: U11.A1@33.97,39.04 U11.A1@33.98,39.05 ; U5.A2@34.39,26.206 U5.A2@34.39,26.23
QSPI_D2: U2.R18 U10.3 | length 4.9
  Bottom Layer w0.1: v1(51.81,37.52) 52.335,38.045 52.985,38.045 52.99,38.05 53.792,38.05 54.226,38.484 54.226,39.041 54.284,39.1 55.048,39.1 55.267,38.881 55.398,38.881 55.448,38.831 U10.3@55.448,38.7
QSPI_D3: U2.N18 U10.7 | length 12.1
  Bottom Layer w0.1: v1(50.81,37.52) 51.746,38.456 53.456,38.456 53.55,38.55 53.55,38.971 53.882,39.303 55.407,39.303 55.61,39.1 ; U10.7@54.648,36.1 54.648,36.542 54.466,36.724 53.346,36.724 53.24,36.83 53.24,37.59 53.3,37.65 53.957,37.65 54.414,38.106 54.836,38.106 55.03,38.3 55.61,38.3 55.698,38.388 55.698,39.012 55.61,39.1
RAS#: U1.J3 U2.G4 | length 20.2
  Bottom Layer w0.15: v1(47.81,30.52) 47.815,30.52 48.183,30.888 48.183,31.241 48.556,31.614 49.063,32.121 49.364,32.422 51.642,32.422 51.717,32.422 51.717,32.868 51.967,32.868 51.967,32.422 52.217,32.422 52.217,32.67 52.467,32.67 52.467,32.422 52.717,32.422 52.717,32.67 52.967,32.67 52.967,32.422 53.217,32.422 53.217,32.67 53.467,32.67 53.467,32.422 53.717,32.422 53.717,33.13 53.967,33.13 53.967,32.422 54.217,32.422 54.217,33.13 54.467,33.13 54.467,32.422 54.717,32.422 54.717,33.13 54.967,33.13 54.967,32.421 55.217,32.421 55.217,33.13 55.467,33.13 55.467,32.378 55.717,32.378 55.717,32.442 55.967,32.442 55.967,32.422 55.982,32.422 56.175,32.615 56.29,32.73 57.007,32.73 57.257,32.48 58.167,32.48 58.255,32.568 v1(58.255,32.939)
RESET#: U1.T2 U2.H1 | length 15.9
  Top Layer w0.15: U2.H1@48.31,29.02 48.31,27.998 48.997,27.31 49.057,27.251 49.306,27.5 49.482,27.323 49.141,26.982 49.318,26.805 49.974,27.462 50.151,27.285 49.468,26.602 49.645,26.425 50.328,27.108 50.505,26.931 50.12,26.547 50.297,26.37 50.403,26.37 54.776,26.37 57.308,26.37 57.46,26.37 U1.T2@57.46,27.33
RID_N: FL1.6 U7.34 | length 18.9
  Top Layer w0.1: v1(31.6,28.66) 31.552,28.708 31.552,28.838 31.547,28.844 31.547,28.926 31.63,29.01 31.828,29.01 32.2,29.382 32.2,30.07 32.36,30.23 33.33,30.23 33.45,30.11 33.45,29.572 33.752,29.27 34.63,29.27 35.545,30.185 41.68,30.185 41.9,30.405 41.9,35.266 42.157,35.523 42.6,35.523 42.688,35.435 U7.34@43.05,35.435
RID_P: FL1.7 U7.35 | length 19.4
  Top Layer w0.1: v1(31.1,28.66) 31.1,28.676 31.322,28.898 31.322,29.02 31.537,29.235 31.735,29.235 31.975,29.475 31.975,30.163 32.267,30.455 33.423,30.455 33.675,30.203 33.675,29.665 33.845,29.495 34.537,29.495 35.452,30.41 41.587,30.41 41.675,30.498 41.675,35.359 42.063,35.747 42.607,35.747 42.695,35.835 U7.35@43.05,35.835
RxL: R40.2 U8.48 | length 17.4
  InLayer3 (PWR) w0.1: v4(35.098,32.68) 35.27,32.68 35.505,32.915 35.505,35.626 35.564,35.685 37.742,35.685 38.363,36.306 38.922,36.306 39.49,36.873 39.49,37.436 40.803,38.75 46.988,38.75 47.521,39.283 v9@47.53,39.283
  Bottom Layer w0.15: U8.48@34.7,32.605 34.775,32.68 U8.48@34.9,32.68 U8.48@34.84,32.62
  other v9: 47.589,39.352
SPI_MISO: U2.T18 U10.2 | length 3
  Bottom Layer w0.1: v1(52.31,37.52) 52.635,37.845 53.126,37.845 53.131,37.85 53.875,37.85 54.343,38.318 54.648,38.318 U10.2@54.648,38.658
SPI_MOSI: U2.U18 U10.5 | length 4.4
  InLayer2 (Signal) w0.1: v2(52.81,37.52) 54.7,35.63 55.496,35.63 v14(55.947,36.08)
  Bottom Layer w0.15: v14(55.947,36.08) 56.229,36.08 U10.5@56.248,36.1
SPI_SCK: U2.U16 U10.6 | length 3.7
  Bottom Layer w0.1: v1(52.81,36.52) 54.161,36.52 54.275,36.406 54.275,35.862 54.457,35.68 55.35,35.68 55.429,35.759 55.429,36.08 U10.6@55.448,36.1
SPI_SS: U2.U17 U10.1 | length 4.8
  Bottom Layer w0.1: v1(52.81,37.02) 52.8,37.01 51.82,37.01 51.485,37.345 51.485,37.655 52.086,38.256 53.715,38.256 53.848,38.389 U10.1@53.848,38.7 U10.1@53.822,38.674
SSRX_N: FL1.5 K1.3 | length 2.8
  Top Layer w0.1: K1.3@30.35,31.41 31,31.41 31.43,30.98 31.43,30.846 31.432,30.844 31.432,29.934 31.43,29.932 31.43,29.73 v1(31.6,29.56)
SSRX_P: FL1.4 K1.1
  other v1: 31.1,29.56
SSTX_N: FL1.2 K1.9 | length 12.1
  Top Layer w0.1: v1@28.31,30.36 27.95,30.72 27.95,32.267 27.706,32.511 27.706,32.781 27.953,33.028 27.953,33.708 27.745,33.915 27.745,34.185 27.885,34.324 27.885,35.975 29.32,37.41 K1.9@30.35,37.41
  Bottom Layer w0.1: v1(28.31,30.34) 28.31,30.279 28.432,30.156 28.432,29.519 28.511,29.441 28.826,29.126 29.816,29.126 30.1,29.41 FL1.2@30.1,29.56
SSTX_P: FL1.1 K1.7 | length 10
  Top Layer w0.1: v1(28.78,30.34) 29.15,30.71 29.15,30.912 29.15,31.409 29.15,31.464 28.811,31.803 28.245,31.803 28.185,31.863 28.185,32.305 28.356,32.476 28.356,32.841 28.193,33.004 28.193,33.714 28.395,33.915 28.395,34.185 28.234,34.346 28.234,34.758 28.389,34.913 28.772,34.913 29.27,35.41 K1.7@30.35,35.41
  Bottom Layer w0.1: v1(28.78,30.34) 28.78,30.279 28.657,30.156 28.657,29.613 28.912,29.358 29.6,29.358 FL1.1@29.6,29.56
TO_D_N: C5.2 U7.31 | length 0.6
  Top Layer w0.1: U7.31@43.052,34.238 C5.2@43.677,34.238
  Top Layer w0.15: U7.31@43.05,34.235 U7.31@43.052,34.238 ; C5.2@43.677,34.238 C5.2@43.68,34.24
TO_D_P: C4.2 U7.32 | length 0.6
  Top Layer w0.1: U7.32@43.052,34.637 C4.2@43.677,34.637
  Top Layer w0.15: U7.32@43.05,34.635 U7.32@43.052,34.637 ; C4.2@43.677,34.637 C4.2@43.68,34.64
TOD_N: C5.1 FL1.9 | length 22.7
  Top Layer w0.1: v10(43.625,36.35) 43.625,35.785 44.115,35.295 44.115,35.01 44.053,34.948 44.053,33.919 43.875,33.741 43.681,33.741 C5.1@43.68,33.74
  InLayer1 (GND) w0.1: v16(30.1,28.66) 30.096,28.66 29.962,28.793 29.962,28.876 30.096,29.01 32.158,29.01 32.408,29.26 34.618,29.26 39.844,34.486 44.026,34.486 44.485,34.945 44.485,35.745 44.295,35.935 43.741,35.935 43.625,36.051 v10(43.625,36.35)
  Bottom Layer w0.1: v16(30.1,28.66) FL1.9@30.1,28.81
TOD_P: C4.1 FL1.10 | length 19
  InLayer1 (GND) w0.1: v16(29.6,28.66) 29.604,28.66 29.738,28.793 29.738,28.969 30.003,29.235 32.065,29.235 32.315,29.485 34.525,29.485 39.751,34.711 43.933,34.711 44.26,35.038 44.26,35.651 44.201,35.71 43.919,35.71 43.804,35.594 43.804,35.159 v10(43.79,35.145) v10@43.772,35.163
TxL: R44.2 U8.49 | length 16.2
  InLayer3 (PWR) w0.1: v4(35.098,33.18) 35.305,33.387 35.305,35.826 35.364,35.885 37.659,35.885 38.28,36.506 38.809,36.506 39.29,36.986 39.29,37.53 40.73,38.97 46.666,38.97 v9@47.037,39.342
  other v9: 47.041,39.343
U_N: FL2.5 U9.19 | length 6.6
  Top Layer w0.1: v1@28.943,36.324 29.271,35.996 31.214,35.996 31.495,35.715 31.495,34.946 FL2.5@32.273,34.168 ; FL2.5@32.27,34.04 FL2.5@32.27,34.165
  Bottom Layer w0.1: v1@28.9,36.324 28.906,36.33 29.246,36.33 29.864,35.712 29.864,35.36 U9.19@30.09,35.36
  other v1: 28.95,36.335
U_P: FL2.6 U9.20 | length 6.6
  Top Layer w0.1: v1(28.595,34.506) 28.856,34.506 29.262,34.912 31.21,34.912 31.404,34.718 31.404,34.713 31.77,34.347 FL2.6@31.77,34.04
  Bottom Layer w0.1: v1(28.595,34.506) 28.595,34.783 28.828,35.015 29.765,35.015 29.895,34.885 30.307,34.885 30.59,35.168 U9.20@30.59,35.36
UART_RX: U2.C11 U8.33 | length 8.9
  InLayer3 (PWR) w0.1: v12@39.95,29.68 39.95,30.183 43.164,30.183 43.795,30.814 43.795,32.419 45.396,34.02 v5(45.81,34.02)
  other v12: 39.95,29.66
UART_TX: U2.C10 U8.32 | length 8.1
  InLayer3 (PWR) w0.1: v12@40.45,29.68 40.446,29.684 40.446,29.949 40.457,29.96 43.224,29.96 43.995,30.731 43.995,32.336 45.179,33.52 v5(45.81,33.52)
  other v12: 40.45,29.66
USB_5V: C14.1 C17.1 C20.1 C23.1 C36.2 K1.2 R31.1 R32.2 R35.1 R39.1 R43.1 U3.D1 U3.D2 U3.E1 U3.E2 U4.D1 U4.D2 U4.E1 U4.E2 U5.D1 U5.D2 U5.E1 U5.E2 U11.D1 U11.D2 U11.E1 U11.E2 | length 19
  Top Layer w0.15: C20.1@30.36,28.23 30.36,27.9 30.49,27.77 30.644,27.924 v6(31.202,27.924) v6@31.194,27.915 ; C36.2@30.622,27.907 C36.2@30.631,27.915 ; C23.1@33.381,28.397 33.761,28.397 33.91,28.249 33.91,27.943 v15(33.948,27.905) ; R32.2@33.68,39.19 33.719,39.229 33.719,39.899 33.943,40.122 v4(33.943,40.325)
  InLayer3 (PWR) w0.15: v7(29.825,30.601) 30.16,30.601 30.369,30.392
  InLayer3 (PWR) w0.4: v7(30.661,30.185) 30.625,30.149 30.625,28.075 30.776,27.924 v6(31.202,27.924) ; v14(31.202,27.517) v6@31.202,27.923
  InLayer3 (PWR) w0.9: v7(30.663,30.596) 30.663,31.907 29.675,32.895 29.675,36.76 30.207,37.292 30.734,37.292 31.396,37.954
  InLayer4 (GND) w0.15: v24(33.943,27.492) v24@33.945,27.494 ; v15@33.945,27.902 v15(33.948,27.905) v15@33.96,27.917
  InLayer4 (GND) w0.3: v24@33.945,27.494 v15@33.945,27.902
  Bottom Layer w0.15: R39.1@30.627,27.894 31.159,27.894 31.213,27.84 U4.E1@31.24,27.84 ; R35.1@30.642,39.551 R35.1@30.692,39.551 ; U3.D1@31.212,40.251 U3.D1@31.272,40.251 ; R31.1@33.36,40.24 33.365,40.245 U11.D1@33.975,40.245 ; R43.1@33.366,28.394 33.786,28.394 33.99,28.19 U5.E1@33.99,27.83
  other v4: 30.637,39.557 31.247,40.315 34.298,40.517 31.25,40.723 33.95,40.733
  other v7: 29.81,30.18 30.239,30.171 31.079,30.175 30.243,30.597 31.079,30.605
USBD_N: FL2.2 K1.4 | length 2.3
  Top Layer w0.1: K1.4@30.35,32.41 32.166,32.41 32.27,32.514 FL2.2@32.27,32.84
USBD_P: FL2.1 K1.6 | length 2.7
  Top Layer w0.1: K1.6@30.35,34.41 31.36,34.41 31.425,34.345 31.425,33.185 FL2.1@31.77,32.84
VDD: C26.2 C27.2 C63.1 C64.1 C65.1 C66.1 FB5.2 U1.B2 U1.D9 U1.G7 U1.K2 U1.K8 U1.N1 U1.N9 U1.R1 U1.R9 | length 30.5
  Top Layer w0.15: U1.K2@57.46,32.13 57.56,32.13 57.91,32.48 58.648,32.48 58.99,32.138 v4(58.99,32.092) ; v4@59.008,32.123 59.365,32.48 60.169,32.48 60.949,31.7 61.83,31.7 U1.K8@62.26,32.13 ; v1(61.46,34.53) 61.83,34.9 62.68,34.9 ; v1(63.06,28.13) 62.66,28.53 62.66,29.33 v1(63.06,29.73) 62.663,30.127 62.663,31.727 U1.K8@62.26,32.13 ; v4(63.06,36.93) 62.68,36.55 62.68,34.9 ; U1.K8@62.26,32.13 v1(62.26,32.15) 62.68,32.57 62.68,34.9
  InLayer3 (PWR) w0.15: v5(56.66,28.13) 56.66,28.435 56.31,28.785 56.31,29.075 56.66,29.425 v5(56.66,29.73) 56.91,29.98 57.01,30.08 57.01,31.56 57.16,31.71 58.653,31.71 58.99,32.047 v4(58.99,32.092) ; v5(57.46,38.53) 57.84,38.15 61.5,38.15 61.813,37.837 61.813,37.718 62.249,37.282 62.708,37.282 v4(63.06,36.93)
  Bottom Layer w0.15: FB5.2@63.07,36.841 FB5.2@63.07,36.93 ; C26.2@63.606,36.305 63.731,36.18 C26.2@63.806,36.18
  Bottom Layer w0.3: FB5.2@63.07,36.841 C26.2@63.606,36.305
VDDQ: C28.2 C29.2 C59.1 C60.1 C61.1 FB6.2 U1.A1 U1.A8 U1.C1 U1.C9 U1.D2 U1.E9 U1.F1 U1.H2 U1.H9 | length 28.1
  Top Layer w0.15: U1.A1@56.639,39.309 U1.A1@56.66,39.33 57.04,38.95 61.88,38.95 v1(62.26,39.33) 62.66,38.93 62.66,38.13 v1(63.06,37.73) 63.41,37.38 63.41,36.48 v8(63.06,36.13) 63.41,35.78 63.41,34.08 v4(63.06,33.73) ; U1.F1@56.66,35.33 57.08,35.75 57.575,35.75 57.81,35.985 57.81,36.58 v5(57.46,36.93)
  Top Layer w0.35: v5(55.98,37.76) 56.01,37.73 U1.C1@56.66,37.73
  InLayer3 (PWR) w0.15: v5(55.98,37.76) 55.98,37.703 56.753,36.93 v5(57.46,36.93) 57.8,36.59 57.8,34.07 ; v4(57.46,33.73) 57.8,34.07 ; v4(63.06,33.73) 62.72,34.07 57.8,34.07
  Bottom Layer w0.15: C28.2@62.245,39.911 C28.2@62.253,39.903 ; C28.2@62.253,39.863 62.253,39.337 v1(62.26,39.33) ; v1(63.06,37.73) FB6.2@63.06,37.805 ; C60.1@63.619,38.364 63.619,38.375 63.744,38.5 C60.1@63.819,38.5
  Bottom Layer w0.3: FB6.2@63.06,37.805 C60.1@63.619,38.364
VTT_REF: C34.1 C35.1 C37.1 C38.1 R1.2 R2.2 U1.H1 U1.M8 U2.H15 U2.J1 | length 36.5
  Top Layer w0.15: v6(48.31,36.02) U2.H15@48.31,36.025 ; U2.J1@48.81,29.02 48.81,28.7 49.02,28.49 C37.1@49.02,27.81
  InLayer2 (Signal) w0.15: v6(48.31,36.02) 48.31,35.014 49.445,33.878 55.178,33.878 55.75,33.307 56.68,33.307 ; v7(56.66,33.73) 56.66,33.327 56.68,33.307 ; v2(62.26,30.53) 62.65,30.92 62.65,33.32 ; v14(63.786,33.044) 63.51,33.32 62.65,33.32 ; 56.68,33.307 60.637,33.307 61.15,33.82 61.675,33.82 62.175,33.32 62.65,33.32
  InLayer3 (PWR) w0.15: v5(49.014,27.809) 49.014,27.819 49.765,28.57 50.865,28.57 51.46,29.165 51.864,29.568 54.378,29.568 56.335,31.525 56.335,33.16 56.465,33.29 56.66,33.29 v7(56.66,33.73)
  Bottom Layer w0.15: C38.1@48.12,35.11 48.122,35.11 48.16,35.147 48.16,35.816 48.31,35.966 v6(48.31,36.02) ; R1.2@63.65,34.8 63.65,34.16 C35.1@63.65,33.54 63.65,33.169 63.775,33.044 v14(63.786,33.044)
WE#: U1.L3 U2.K4 | length 20.2
  Bottom Layer w0.15: v1(49.31,30.52) 49.315,30.52 49.925,31.13 49.932,31.13 50.007,31.13 50.007,31.62 50.257,31.62 50.257,30.87 50.507,30.87 50.507,31.17 50.757,31.17 50.757,30.87 51.007,30.87 51.007,31.178 51.257,31.178 51.257,31.13 51.822,31.13 53.469,31.13 53.794,31.13 53.794,30.02 54.044,30.02 54.044,31.13 54.294,31.13 54.294,30.02 54.544,30.02 54.544,31.13 54.794,31.13 54.794,29.979 55.044,29.979 55.044,31.13 55.294,31.13 55.294,30.262 55.544,30.262 55.544,31.13 56.05,31.13 56.676,31.13 57.226,31.68 57.605,31.68 57.917,31.368 58.222,31.368 v1(58.26,31.33)
pads on no net: K1.0 U1.J1 U1.J9 U1.L1 U1.L9 U2.A10 U2.B8 U2.B10 U2.B11 U2.C9 U2.H3 U2.L4 U2.L16 U2.M18 U2.N15 U2.N16 U2.N17 U2.R16 U2.R17 U2.T15 U2.T17 U2.V2 U2.V3 U2.V11 U2.V12 U2.V16 U2.V17 U7.17 U7.18 U8.17 U8.18 U8.19 U8.20 U8.22 U8.23 U8.24 U8.25 U8.26 U8.27 U8.28 U8.29 U8.30 U8.34 U8.35 U8.37 U8.38 U8.39 U8.40 U8.42 U8.46 U8.47 U8.51 U8.52 U8.53 U8.54 U9.7 U9.8 U9.11 U9.12 U12.6 U12.7

## Polygon pours and split planes (outlines as drawn)
GND on InLayer3 (PWR) "GND_L04_P018" (solid, remove dead copper, pour order 18): 25.39,41.39 25.4,41.38 25.4,25.4 65.4,25.4 65.4,41.4
1.1V on InLayer3 (PWR) "1.1V_L04_P001" (solid, remove dead copper, pour order 1): 46.04,41.4 46.04,30.283 55.58,30.283 55.58,41.4
3.3V on InLayer3 (PWR) "3.3V_L04_P014" (solid, remove dead copper, pour order 14): 35.38,29.5 40.503,29.5 40.503,26.88 35.38,26.88
3.3V on InLayer3 (PWR) "3.3V_L04_P006" (solid, pour order 6): 34.157,27.23 36.06,27.23 36.06,25.701 34.15,25.698
USB_5V on InLayer3 (PWR) "USB_5V_L04_P004" (solid, remove dead copper, pour order 4): 30.433,41.4 34.531,41.4 34.519,39.85 33.493,39.845 33.48,37.66 30.447,37.66
GND on InLayer2 (Signal) "GND_L03_P019" (solid, remove dead copper, pour order 19): 25.39,41.39 25.4,41.38 25.4,25.4 65.4,25.4 65.4,41.4
USB_5V on InLayer2 (Signal) "USB_5V_L03_P005" (solid, remove dead copper, pour order 5): 29.76,30.782 31.12,30.782 31.12,28.671 34.25,28.671 34.25,26.45 30.22,26.45 30.22,29.99 29.76,29.99
GND on InLayer1 (GND) "GND_L02_P017" (solid, remove dead copper, pour order 17): 25.39,41.39 25.4,41.38 25.4,25.4 65.4,25.4 65.4,41.4
GND on InLayer4 (GND) "GND_L05_P020" (solid, remove dead copper, pour order 20): 25.39,41.39 25.4,41.38 25.4,25.4 65.4,25.4 65.4,41.4
GND on Top Layer "GND_L01_P015" (solid, remove dead copper, pour order 15): 25.39,41.39 25.4,41.38 25.4,25.4 65.4,25.4 65.4,41.4
GND on Bottom Layer "GND_L06_P021" (solid, remove dead copper, pour order 21): 25.39,41.39 25.4,41.38 25.4,25.4 65.4,25.4 65.4,41.4

## Keep-outs
Keep-Out Layer:
  the board outline again, w0.1

## Other copper
Top Layer:
  rectangle net GND: 51.621,28.832 53.004,30.218
  rectangle net 1.1V: 35.734,39.593 37.052,41.132
  rectangle net NetL1_1: 34.574,39.761 35.582,41.132
  rectangle net USB_5V: 29.425,29.996 31.282,30.782
  rectangle net 1.35V: 31.367,38.49 31.72,39.505
  rectangle net 3.3V: 34.39,25.689 34.755,26.04
  rectangle net 2.5V: 30.836,25.889 31.594,26.697
InLayer2 (Signal):
  rectangle net GND: 52.14,32.63 53.48,33.02
  rectangle net GND: 48.36,32.45 50.49,33.02
  rectangle net 1.35V: 31.347,38.488 32.769,39.494
InLayer3 (PWR):
  rectangle net 3.3V: 35.64,26.365 36.89,27.23
  rectangle net 1.1V: 35.73,39.56 46.27,41.4
  rectangle net USB_5V: 29.421,29.98 31.379,30.795
Bottom Layer:
  rectangle net GND: 54.5,37.251 55.683,37.956
  rectangle net NetL1_1: 34.616,40.184 35.378,40.995
  rectangle net NetL3_1: 31.88,27.315 32.643,28.219
  rectangle net NetL4_1: 34.629,27.308 35.373,28.187
  rectangle net USB_5V: 33.751,27.317 34.521,28.092
  rectangle net USB_5V: 31.008,27.327 31.737,28.1
  rectangle net GND: 31.116,26.503 32.593,27.197
  rectangle net GND: 33.859,26.489 35.36,27.187
  rectangle net NetL2_1: 31.91,40.163 32.662,40.948
  rectangle net GND: 33.988,39.323 35.188,39.984
  rectangle net GND: 31.272,39.317 32.472,39.977
  rectangle net USB_5V: 33.751,40.124 34.491,40.943
  rectangle net USB_5V: 31.054,40.152 31.761,40.931

## Silkscreen, mask and mechanical layers (free items; w line width, h text height)
Top Overlay:
  drawing of 1105 lines, arcs and shapes, not listed
  text "Rx" at 49.73,39.3 h0.5
  text "OK" at 53.259,39.305 h0.5
  text "Tx" at 47.687,39.281 h0.5
Bottom Overlay:
  drawing of 1206 lines, arcs and shapes, not listed
  text "V1.5 20210810" at 26.6,37.05 h1.25 r90
  text "EVEREST" at 55.87,26.32 h1.2
Outline:
  the board outline again, w0.1

## Text inside footprints (layer, text, board x,y; h text height)
K1: Mechanical 4 "PCB Edge" at 24.5,29.01 h1.97 r90